# KiCad board DFTBoard.kicad_pcb (continued)
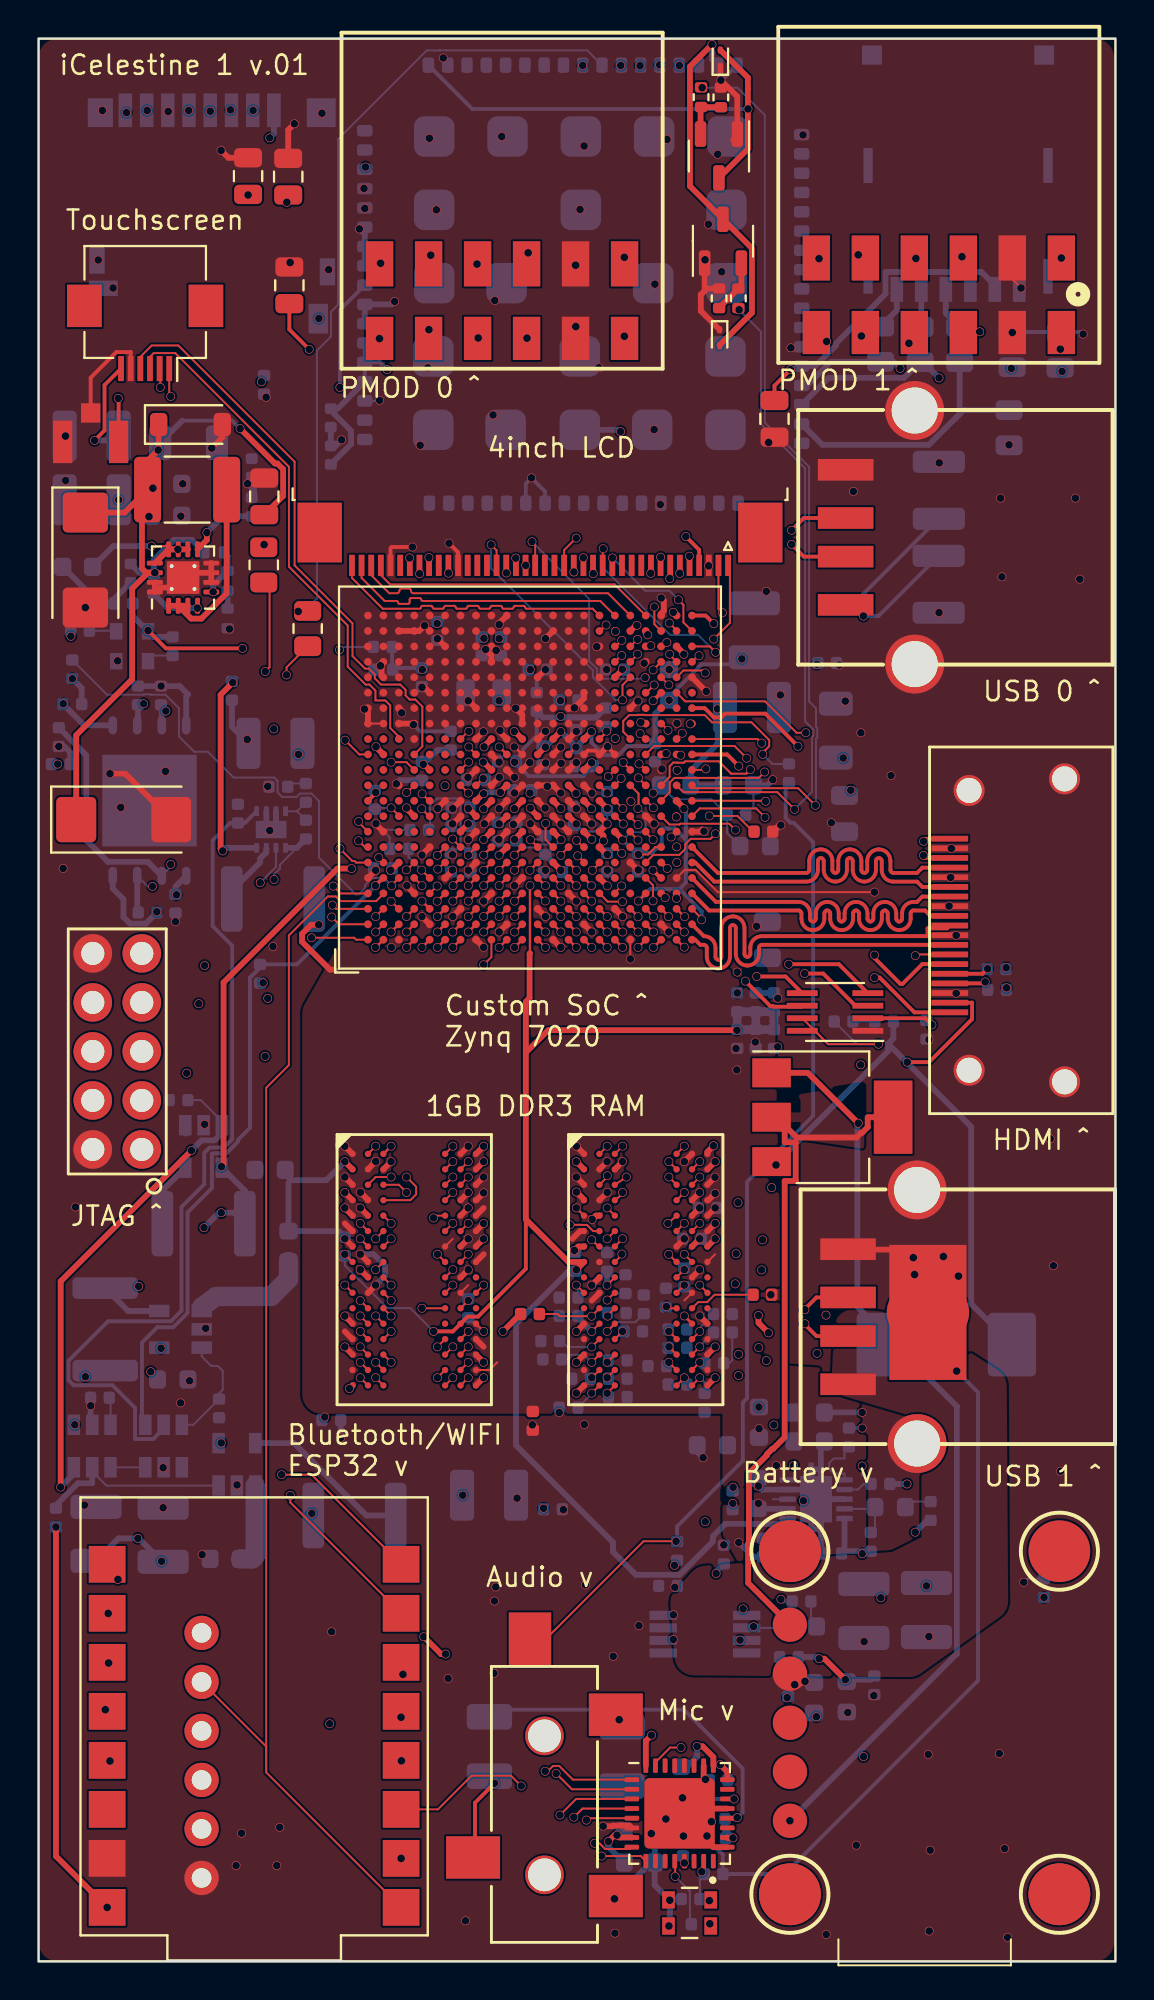
[diagram p0: board, top side]
## Nets (continued)
SD_D1: J8.8 U20.E10
SD_D2: J8.1 U20.A8
SD_D3: J8.2 U20.F11
SDA: J3.40 U20.T22
T_INT: J4.2 U20.D11
T_RST: J4.1 U20.D12
T_SCL: J4.3 U20.C14
T_SDA: J4.4 U20.D13
TLV_RST#: U9.31 U20.W13
UART33_RX: U14.6 U17.4 U20.G7
UART33_TX: U14.5 U17.5 U20.B4
USBD_D_N: U12.2
USBD_D_P: U12.3
USBH_CPEN: U11.1 U20.AA17
USBH_D_N: J6.2 U20.AA8
USBH_D_N1: J2.2 U20.AB22
USBH_D_P: J6.3 U20.AA9
USBH_D_P1: J2.3 U20.AA22
USBH_FAULT: D3.1 U11.2 U20.AB16
USBH_VBUS: C73.2 C74.2 J6.1 U11.6 U11.8
VMODE0: R96.1 U20.D5
VMODE1: R97.1 U20.E5
VS: J3.33 U20.U21
ZYNQ_POR: R5.2 U2.4 U20.B5
Net-(#FLG0102-pwr): R34.1 U21.7 U21.8
Net-(AE1-A): AE1.1 U13.60
Net-(D7-K): D7.1 R101.2 U8.9
Net-(D8-A2): D8.2 Q2.3 U13.1
Net-(D9-A2): D9.2 Q4.3 U13.16
Net-(L5-Pad1): L5.1 U6.1 U6.2 U6.3
Net-(Q1-D): Q1.2 U12.5
Net-(Q1-G): Q1.1 S8KC-13.2 U12.1
Net-(Q2-B): Q2.2 R12.2 R16.1
Net-(Q4-B): Q4.2 R14.2 R17.1
Net-(R7-Pad2): R7.2 R8.1
Net-(R27-Pad2): R27.2 R29.1
Net-(R34-Pad2): R34.2 R81.1
Net-(U1-EN): C1.1 U1.3
Net-(U1-FLAG3): U1.4 U2.3
Net-(U5-FB): R6.1 R7.1 U5.4
Net-(U5-SW): L1.1 U5.7
Net-(U6-FB): R24.1 R27.1 U6.5
Net-(U6-PG): R23.1 U6.4
Net-(U6-SS/TR): C37.2 U6.9
Net-(U8-REFOUT): C131.1 U8.6
Net-(U9-MIC1RM/LINE1RM): C45.2 U9.13
Net-(U13-RXD): R22.2 U13.10
Net-(U13-TXD): R18.2 U13.9
Net-(U18-OE): R98.1 U18.1
Net-(U20F-PS_CLK_500): R100.1 U20.F7
Net-(U20G-PS_SRST_B_501): R33.1 U20.C9
Net-(U20H-PS_DDR_VRN_502): R75.1 U20.M7
Net-(U20H-PS_DDR_VRP_502): R76.1 U20.N7

Pads without a net: CON1 6 7 8; J1 7 8 9 10 11 12 C6; J3 31 35 MP; J4 MP; J5 ~; U9 10 11 14 16 19 23; U11 4 5; U12 P$1; U13 3 4 5 6 7 8 15 19 20 21 22 23 24 25 26 27 28 35 36 37 38 40 41 42 43 44 47 48 49 50 51 53 67 68 GND; U14 3.3; U15 J1 J9 L1 L9 M7; U16 J1 J9 L1 L9 M7; U17 2 6; U20 A9 A11 A12 A14 AA16 AB17 B7 B9 B12 B14 C4 C7 C8 C10 C12 C13 D7 D8 D10 E8 E11 E13 E14 F8 F9 F12 F13 F14 G6 G13 T12 U5 U6 U15 U16 U17 V4 V5 V7 V15 V17 W7 W16 Y8 Y14 Y16

## Via types
v1: diameter 0.45, hole 0.4, TOP_GND to BOTTOM, 914 vias

## Routing (per net, layer and track width the routed paths; a pad name or vN(x,y) marks a point on that pad's centre or on a via; arc(x,y) is an arc through that point)
1v0en: length 25.8
  TOP_GND w0.3: v1(1.14,24.58) 1.14,35.24 v1(7.93,42.03)
  BOTTOM w0.102: 9.51,43.54 8.41,44.64 R1.2
  BOTTOM w0.3: 1.83,25.27 v1(1.14,24.58) ; U3.3 9.51,42.93 9.13,42.55 8.45,42.55 v1(7.93,42.03)
1v8en: length 10.2
  BOTTOM w0.102: U7.3 3.52,24.66 2.78,25.4
  BOTTOM w0.3: R2.2 0.9,23.64 2.04,24.78 2.78,24.78 U1.5
1v35en: length 49.8
  BOTTOM w0.102: 8.73,41.97 8.93,42.18 9.51,42.18 ; 9.03,53.72 9.03,58.1
  BOTTOM w0.2: 6.48,27.61 5.95,27.08 5,27.08 5,28.69 3.84,29.86 1.82,29.86 1.55,30.12 1.55,31.13 3.6,33.18 6.86,33.18 7.41,33.72 7.41,39.1 8.59,40.28 8.59,41.91 8.86,42.18 9.61,42.18 10.04,42.61 10.04,52.64 9.03,53.65 9.03,58.1 9.93,59 R4.2 10.7,59 U5.1
1v35PG: length 34.7
  TOP_GND w0.102: v1(35.09,58.44) 34.83,58.18 33.8,58.18 33.52,57.9 33.52,57.65 33.22,57.35 31.87,57.35 U20.W6
  SIGNAL1 w0.102: v1(11.49,55.91) 11.72,55.68 12.37,55.68 12.82,56.12 15.68,56.12 16.44,55.36 17.62,55.36 17.85,55.59 17.85,55.86 18.14,56.16 18.41,56.16 18.67,56.42 18.67,56.73 19.68,57.74 24.81,57.74 25,57.56 25.83,57.56 26.68,56.7 26.68,56.39 26.92,56.15 29.65,56.15 30.46,56.96 31.24,56.96 32.4,58.12 32.4,58.44 32.89,58.93 32.9,58.92 33.22,58.92 33.26,58.96 34.69,58.96 35.09,58.56 v1(35.09,58.44) 35.09,58.51 35.05,58.56
  BOTTOM w0.102: U5.6 12.31,56.72 v1(11.49,55.91)
3v3en: length 5.9
  BOTTOM w0.102: 8.46,31.81 8.46,31.36 8.96,30.86 9.29,30.86 9.55,30.61 9.55,29.63 9.36,29.44 R3.2 8.02,27.81 U2.6
+1V0: length 95.1
  TOP_GND w0.13: U20.P13 v1(27.86,62.93) ; U20.H11 23.02,61.3 v1(23.05,61.3) ; v1(23.88,62.94) 23.88,62.94 U20.K13
  TOP_GND w0.3: U20.M13 26.26,62.93 v1(26.28,62.93) ; U20.N14 27.06,63.74 v1(27.08,63.74) ; v1(16.22,56.64) 15.49,56.64 9.59,50.74 9.59,41.3 v1(9.48,41.19) ; U20.J12 23.07,62.15 v1(23.05,62.15) ; v1(24.68,58.14) 24.68,58.15 U20.L8 ; U20.R14 28.66,63.73 v1(28.66,63.73) ; v1(23.08,59.73) 23.08,59.75 U20.J10 ; v1(23.08,58.15) 23.08,58.15 U20.J8 ; v1(22.28,58.95) 22.28,58.95 U20.G8 ; v1(22.28,59.75) U20.H9 ; v1(23.09,62.94) 23.09,62.97 U20.J14 ; U20.R8 v1(28.67,58.15) ; v1(24.66,63.74) 24.69,63.74 U20.L14 ; U20.N8 v1(27.09,58.14)
  SIGNAL1 w0.102: v1(23.05,61.3) 22.68,60.93 22.68,60.13 v1(23.08,59.73) 22.7,59.35 ; v1(22.28,58.95) 22.28,58.95 v1(23.08,58.15) 23.46,58.53 24.28,58.53 v1(24.68,58.14) ; v1(22.28,58.95) 22.3,58.95 22.7,59.35 ; v1(22.28,58.95) 21.87,58.55 21.64,58.55 21.63,58.56 21.3,58.56 21.3,58.55 20.05,58.55 19.24,57.74 18.92,57.74 17.57,57.74 16.46,56.64 v1(16.22,56.64) ; 22.7,59.35 22.3,59.75 v1(22.28,59.75)
  SIGNAL1 w0.3: v1(24.66,63.74) 25.47,63.74 v1(26.28,62.93)
  GND1 w0.102: v1(27.09,58.14) 27.11,58.14 27.54,57.71 28.23,57.71 v1(28.67,58.15)
  SIGNAL2 w0.3: v1(5.15,21.93) 5.15,29.2 8.17,32.22 8.17,37.62 v1(8.58,38.03) ; v1(40.35,67.22) 40.07,67.5 v1(36.46,67.5)
  BOTTOM w0.102: v1(27.09,58.14) 26.84,57.89 26.05,57.89 25.9,57.73 25.08,57.73 v1(24.68,58.14)
  BOTTOM w0.2: 36.74,67.22 34.37,67.22 32.68,65.53 ; C24.1 31.81,62.99 30.53,62.99 30.06,62.51 29.32,62.51 28.66,63.17 v1(28.66,63.73)
  BOTTOM w0.3: U3.4 10.69,39.95 L3.2 10.13,38.8 v1(9.47,38.8) 9.35,38.8 v1(8.58,38.03) ; C28.1 4.15,21.93 v1(5.15,21.93) 5.19,21.93 v1(6.38,20.74) ; v1(26.28,62.93) 26.28,62.94 v1(27.08,63.74) 27.86,62.95 v1(27.86,62.93) 27.86,62.93 v1(28.66,63.73) ; 31.97,63.11 31.97,64.66 C11.1
  vias: v1(32.69,65.36)
+1V8: length 72.2
  TOP_GND w0.3: v1(27.88,58.95) U20.P9 ; U20.R12 28.65,62.12 v1(28.68,62.12) ; v1(25.49,59.77) 25.49,59.74 U20.M9 ; U20.T9 v1(29.47,58.95) U20.T8 29.28,58.35 v1(29.28,58.07) ; U20.T7 29.46,57.37 v1(29.49,57.37) ; U20.K11 23.94,60.61 v1(23.94,60.58) ; v1(31.78,11.73) 31.48,11.43 U9.32 ; U20.K9 23.88,58.95 v1(23.88,58.95) ; U20.T10 29.48,59.74 v1(29.49,59.74) ; v1(23.07,60.51) 23.04,60.51 U20.H10
  SIGNAL1 w0.102: v1(28.68,62.12) 28.68,63.09 28.27,63.5 28.27,63.91 27.66,64.52 v1(27.07,64.52)
  SIGNAL1 w0.3: v1(28.68,62.12) 28.16,61.6 26.36,61.6 25.48,60.72 v1(25.48,60.55) ; v1(42.11,60.7) 41.71,61.1 v1(41.71,62.37) ; v1(31.78,11.73) 33.72,13.67 v1(38.81,13.67)
  GND1 w0.102: v1(28.68,62.12) 28.68,61.12 29.08,60.71 29.08,60.15 v1(29.49,59.74) ; v1(29.47,58.95) 29.49,58.96 v1(29.49,59.74) ; v1(27.88,58.95) 28.27,59.34 29.09,59.34 v1(29.49,59.74)
  GND1 w0.2: v1(27.07,64.52) 27.07,64.52 30.9,64.52 31.04,64.65 34.94,64.65 v1(35.2,64.91)
  SIGNAL2 w0.102: v1(23.88,58.95) 23.48,59.35 23.48,60.13 v1(23.94,60.58)
  SIGNAL2 w0.3: v1(35.2,64.91) 39.61,64.91 41.71,62.82 v1(41.71,62.37)
  BOTTOM w0.102: v1(29.47,58.95) R9.2 29.47,59.19 28.84,58.56 28.27,58.56 v1(27.88,58.95)
  BOTTOM w0.2: C19.1 25.83,63.53 25.12,62.82 25.12,62.56 C20.1 ; C5.1 28.24,61.43 25.4,61.43 v1(24.68,62.15)
  BOTTOM w0.3: 28.91,64.47 26.14,64.47 C19.1 ; 28.91,64.47 27.15,64.47 27.1,64.52 v1(27.07,64.52) ; 28.91,64.47 R10.2 ; C26.1 FB1.2 33.81,61.72 35.2,63.1 v1(35.2,64.91) ; v1(23.07,60.51) 23.14,60.58 v1(23.94,60.58)
  vias: v1(9.47,26.87) v1(14.17,23.22) v1(32.97,20.53) v1(40.32,12.68)
+1V35: length 50.5
  TOP_GND w0.102: U16.K8 22.28,35.05 ; U15.K8 33.47,34.25 ; U16.G7 21.48,37.45 ; U16.N9 23.07,31.85 ; U16.R9 23.38,30.65 23.78,31.05 ; U20.V1 v1(30.68,51.95) ; 34.68,36.25 35.08,36.65
  TOP_GND w0.3: 34.68,39.45 34.72,39.45 v1(35.07,39.8) ; U15.F1 28.08,37.85 27.68,37.45 ; U20.F5 21.46,56.53 v1(21.46,56.56) ; U20.N6 v1(27.08,56.55) ; 15.38,51.4 15.1,51.4 13.66,52.84 13.66,53.25 14.13,53.73 v1(14.53,53.73) ; U16.D9 22.69,39.45 v1(23.08,39.83) ; U15.A1 v1(27.88,42.25) ; v1(15.88,40.65) U16.C1 ; v1(16.68,39.86) 17.08,39.47 U16.D2 ; U16.H2 v1(16.68,36.65) ; U20.M3 v1(26.28,54.15) ; U20.K7 23.88,57.35 v1(23.88,57.33) ; U16.F1 15.88,38.25 ; 29.08,34.64 28.68,34.24 ; 33.08,37.05 v1(33.47,37.45) ; U20.R2 v1(28.68,53.35) ; U20.J4 v1(23.08,54.95) ; 29.08,36.25 29.08,36.23 ; U20.E2 v1(19.88,54.15) ; U16.N1 15.88,32.65 ; U15.A8 v1(33.47,41.45) ; U15.C1 v1(27.88,40.65) ; 34.68,38.65 v1(35.08,39.05) ; 22.68,38.65 23.08,39.05 ; v1(17.48,35.05) U16.K2 ; U16.H9 23.08,36.65 ; U20.H1 v1(23.08,52.55) ; 29.08,41.05 v1(29.47,41.45) ; 22.68,32.25 23.07,31.85 ; 34.68,40.25 v1(35.07,40.64) ; U16.C9 v1(23.08,40.65) ; U16.A1 v1(15.88,42.25) ; U16.A8 v1(22.28,42.25) ; 17.08,41.05 v1(17.48,41.46) ; 29.08,39.45 v1(29.48,39.86)
  SIGNAL1 w0.102: v1(13.48,62.55) 12.38,61.45 12.38,56.8 12.21,56.63 v1(12.21,56.07)
  SIGNAL1 w0.3: v1(36.3,21.72) 37.32,22.73 v1(37.32,23.74) ; v1(38.24,25.7) 38.24,26.72 v1(37.35,27.61)
  BOTTOM w0.102: v1(12.21,56.07) 12.21,56.34 12.51,56.64 12.51,56.83 R6.2
  BOTTOM w0.3: 26.28,57.35 v1(27.08,56.55) ; v1(37.32,23.74) 37.6,23.45 U8.2 ; 13.83,58.15 13.38,57.71 12.83,57.71 ; v1(36.3,21.72) 37.06,20.96 C103.1 ; v1(16.68,36.65) 17.37,36.65 17.96,36.05 17.96,35.54 v1(17.48,35.05)
  vias: v1(14.84,28.21) v1(36.16,47.31) v1(36.2,46.2) v1(37.16,47.65) v1(38.32,47.39)
+3V3: length 126.6
  TOP_GND w0.102: v1(17.48,54.15) 17.48,54.15 U20.B3 ; 31.06,59.83 31.1,59.87 31.1,60.52 U20.V11 ; v1(34.37,53.99) 34.37,54.05 U20.AB3 ; v1(31.09,57.37) 31.59,57.37 31.97,57.75 U20.Y7 ; 31.47,55.34 v1(31.09,54.96) ; PMOD2.12 53.02,83.6 v1(52.97,83.55) ; U20.W14 31.19,63.63 v1(31.18,63.63)
  TOP_GND w0.2: v1(46.31,48.54) 45.97,48.88 U21.2 ; J4.6 3.42,81.7 3.42,79.35 v1(2.9,78.83) ; U20.A10 17.47,60.55 v1(17.47,60.59) ; U20.AB13 35.7,62.55 v1(36.3,61.95) ; v1(5.68,68.98) 6.6,68.05 v1(10.58,68.05) ; U20.Y17 v1(31.86,65.33) ; v1(33.55,73.85) 34.25,73.15 34.25,72.35
  TOP_GND w0.3: U20.AB13 33.95,62.55 ; U20.U8 30.28,58.15 v1(30.28,58.12) ; v1(18.25,56.55) 18.28,56.55 U20.C6 ; U20.U18 30.26,66.94 v1(30.26,66.97) ; v1(19.94,62.04) 19.98,62.04 U20.E12 ; v1(29.48,55.74) 29.48,55.75 U20.T5 ; U20.B13 17.49,62.93 v1(17.49,62.95) ; U9.24 35.71,9.83 v1(35.34,10.2) ; v1(40.47,15.68) 40.74,15.68 v1(41.83,14.6) ; U20.D9 19.07,59.75 v1(19.07,59.78) ; U20.AA10 33.46,59.77 v1(33.46,59.74) ; 30.75,6.42 30.75,6.43 30.1,6.43 v1(29.99,6.55) 29.87,6.55 v1(29.54,6.22) ; U20.V21 30.97,69.25 v1(31.02,69.25) ; v1(33.45,67.74) 33.45,67.77 U20.AA20 ; v1(34.14,11.15) 34.43,11.15 34.98,10.59 U9.25 ; U9.18 35.72,6.4 v1(36,6.4)
  SIGNAL1 w0.102: v1(18.25,56.55) 17.86,56.16 16.7,56.16 16.68,56.17 16.36,56.17 16.35,56.16 15.93,56.16 15.7,56.39 15.7,56.67 16.04,57.01 16.09,57.01 17.32,58.24 17.32,58.51
  SIGNAL1 w0.2: v1(17.47,60.59) 18.93,62.04 v1(19.94,62.04) 19.97,62.04 20.01,62.08 ; v1(17.47,60.59) 17.05,60.16 17.05,58.78 17.32,58.51 18.43,58.51 18.46,58.51 18.72,58.77 18.72,58.79 19.07,59.15 v1(19.07,59.78) ; v1(17.47,60.59) 17.49,60.6 v1(17.49,62.95) 17.49,63.08 15.65,64.93 12.62,64.93 12.19,64.49 v1(12.19,63.88)
  SIGNAL1 w0.3: v1(8.61,51.61) 9.5,50.71 v1(11.64,50.71)
  SIGNAL2 w0.102: v1(31.02,69.25) 30.66,68.88 30.66,67.36 v1(30.26,66.97)
  SIGNAL2 w0.2: v1(10.58,68.05) 10.58,66.36 12.19,64.74 v1(12.19,63.88)
  SIGNAL2 w0.3: v1(2.43,30.3) 2.53,30.2 5.45,30.2 v1(5.81,30.56) 6.35,31.1 v1(6.35,31.78) ; v1(36.26,39.33) 37.04,40.11 v1(38,40.11) ; v1(37.73,31.14) 36.96,30.37 v1(36.29,30.37)
  BOTTOM w0.102: v1(30.28,58.12) 30.67,58.52 31.23,58.52 31.47,58.75 31.47,59.42 31.06,59.83 ; C46.1 18.36,68.09
  BOTTOM w0.2: R35.2 38.59,18.66 v1(38.48,18.77) ; 31,57.4 v1(30.28,58.12) ; C114.1 18.45,67.04 C46.1 18.32,66.99 R99.1 ; 33.56,57.38 33.56,59.63 v1(33.46,59.74) ; 33.56,57.38 33.56,55.92 33.22,55.58 ; 33.56,57.38 33.56,58.13 32.97,58.71 32.3,58.71 32.3,57.95 31.79,57.44 C117.1 ; 33.22,55.58 34.37,54.42 v1(34.37,53.99) ; 33.22,55.58 31.71,55.58 v1(31.09,54.96) ; 46.08,48.77 v1(46.31,48.54)
  BOTTOM w0.3: v1(35.12,20.11) 35.12,20.2 C70.1 ; v1(40.47,15.68) 40.38,15.78 C68.1 ; v1(29.54,6.22) 29.54,5.95 C60.1 ; 30.1,6.5 30.03,6.5 v1(29.99,6.55) ; R98.2 5.97,68.64 U18.4 4.89,69.72 C120.1 ; v1(34.14,11.15) 34.14,10.6 33.62,10.09 ; R106.2 2.23,65.99 v1(1.75,66.47) ; C62.1 35.97,6.38 v1(36,6.4) 35.59,6.81 C52.2 ; R25.1 v1(45.02,24.74) ; C39.2 43.13,14.6 v1(41.83,14.6) ; v1(35.34,10.2) 35.74,9.8 C56.2 ; R95.2 5.56,53.79 4.74,53.79 4.4,54.12 4.4,55.05 3.84,55.61 U19.8 ; C116.1 20.68,62.78 v1(19.94,62.04) ; R102.2 46.06,22.86 v1(45.44,22.24) ; v1(2.9,78.83) 3.93,78.83 ; U8.10 41.78,21.17 ; R101.1 41.75,21.26
  vias: v1(4.15,75.75) v1(6.13,54.4) v1(8.9,95.89) v1(11.55,81.86) v1(19.89,66.95) v1(20.66,69.34) v1(21.99,24.16) v1(23.09,68.57) v1(23.88,68.55) v1(23.87,65.33) v1(25.49,66.95) v1(26.18,23.49) v1(27.06,65.34) v1(30.37,88.32) v1(30.37,84.23) v1(31.07,59.76) v1(35.99,23.74) v1(42.7,21.12) v1(50.16,51.5) v1(50.18,50.46) v1(52.12,18.87) v1(53.02,88.28)
+3V8: length 77
  TOP_GND w0.2: C64.1 13,84.58 v1(14.03,83.55)
  TOP_GND w0.3: D2.1 6.23,78.35 v1(6.2,78.33) 5.65,77.78 ; v1(10.45,79.44) 12.26,77.63 12.38,77.63 12.68,77.33 12.68,75.95 C88.1 ; C44.1 4.46,75.09 L5.2 ; 5.36,75.98 5.36,72.19 5.58,71.97 v1(6.03,71.97) 5.67,71.97 4.85,71.15 4.85,66.45 1.95,63.55 C40.1
  GND1 w0.2: v1(10.86,91.55) 11.24,91.17 v1(12.87,91.17) 14.03,90.01 v1(14.03,83.55) 15.08,82.5 v1(18.07,82.5) 15.01,79.44 v1(10.45,79.44)
  BOTTOM w0.2: U13.55 U13.56 ; U13.56 17.69,82.88 v1(18.07,82.5) ; U13.56 U13.57 ; v1(10.45,79.44) 10.03,79.85 7.45,79.85
  BOTTOM w0.3: C92.1 16.2,78.63 16.2,79.06 16.19,79.07 16.19,79.33 15.15,80.38 ; 7.45,79.85 C132.1 ; R23.2 5.98,72.63 7.02,73.67 7.94,73.67 R24.2 ; v1(6.03,71.97) 5.23,71.97 C124.1 ; C107.1 15.51,80.47 U13.55
  vias: v1(5.73,74.88) v1(5.93,76.35)
+5V: length 111.8
  TOP_GND w0.102: 6.93,73.18 6.76,73.35 v1(5.85,73.35)
  TOP_GND w0.2: v1(45.03,46.61) 46.16,46.61 48.39,48.83 48.39,49.68 48.39,49.69 J9.18
  TOP_GND w0.3: v1(0.9,22.51) 0.9,5.46 v1(3.56,2.8) ; v1(9.55,57.55) 9.44,57.66 9.44,65.65 v1(10.07,66.28) ; v1(7.23,73.18) U6.10 ; v1(7.23,73.18) U6.12 U6.13 ; v1(7.23,73.18) U6.11 ; v1(21.11,15.93) 20.86,15.93 v1(19.97,16.83) 20,16.79
  SIGNAL1 w0.3: v1(11.74,46.9) 10.87,46.04 v1(7.68,46.04) ; v1(11.88,49.91) 11.22,49.25 8.69,49.25 v1(8.31,49.64)
  SIGNAL2 w0.3: v1(1.88,27.81) 1.88,23.49 v1(0.9,22.51)
  BOTTOM w0.2: v1(45.03,46.61) 44.99,46.61 44.66,46.94 ; 46.65,74.77 42.76,70.88 v1(42.76,69.72) 43.54,69.72 C69.2
  BOTTOM w0.3: 44.04,47.56 44.04,47.18 38.23,41.37 v1(38.23,41.28) ; 44.04,47.56 48.35,43.25 48.35,34.07 S8KC-13.1 ; 44.04,47.56 44.32,47.84 R81.2 ; C21.1 3.88,73.35 v1(5.85,73.35) ; v1(9.55,57.55) 9.71,57.71 U5.8 ; 7.63,42.9 7.63,43.41
  BOTTOM w1: 8.46,33.91 9.21,34.46 12.06,34.46 12.96,35.36 C3.1 ; C13.1 11.08,20.86 11.23,21.01 U7.1
/Power/1V0TOLX: length 3.4
  BOTTOM w0.3: U3.5 6.42,39.95 L3.1
/Power/1V8TOLX: length 8.8
  BOTTOM w0.3: L4.1 16.99,23.11 13.24,26.86 U7.5
/Power/3V3TOLX: length 3.3
  BOTTOM w0.3: U4.5 4.64,33.71 L2.1
  vias: v1(5.19,34.99)
/Power/VCCAUX: length 17.4
  TOP_GND w0.3: v1(24.67,59.74) 24.67,59.74 U20.L10 ; v1(28.66,59.74) 28.66,59.76 U20.R10 ; v1(27.08,59.75) U20.N10 ; U20.P11 27.86,60.56 v1(27.86,60.53)
  SIGNAL1 w0.102: v1(28.66,59.74) 29.06,60.14 30.15,60.14 30.52,60.5 31.81,60.5 v1(31.86,60.55)
  GND1 w0.102: v1(24.67,59.74) 25.03,59.38 26.7,59.38 v1(27.08,59.75) 27.46,60.13 27.73,60.13 ; v1(28.66,59.74) 28.27,60.13 27.73,60.13 ; 27.73,60.13 27.86,60.26 v1(27.86,60.53)
  BOTTOM w0.102: C33.1 35.69,58.47 C34.1 34.89,60.22 32.96,60.22 FB1.1
  BOTTOM w0.3: v1(31.86,60.55) 31.87,60.55 32.24,60.91
GND: length 201
  TOP_GND w0.102: U16.M9 v1(23.08,32.65) ; U15.E1 v1(27.88,39.05) ; U20.A15 U20.B15 ; U20.AA5 33.48,56.56 34.07,56.56 35.21,55.42 v1(43.33,55.42) ; 50.48,87.18 v1(50.93,86.73) ; U16.P9 23.07,31.06
  TOP_GND w0.13: U20.L13 24.68,62.94 v1(24.66,62.94)
  TOP_GND w0.2: v1(29.5,62.96) 29.5,62.93 U20.U13 ; AE1.3 2.7,82.08 4.03,83.4 4.77,83.4 4.78,83.4 J4.5 ; U20.R13 28.47,62.75 28.88,62.75 U20.T13 ; v1(21.28,73.5) 21.75,73.03 21.75,72.35 ; v1(19.38,73.3) 18.31,73.3 18.25,73.23 18.25,72.35
  TOP_GND w0.3: v1(17.49,58.96) 17.49,58.93 U20.B8 ; v1(25.47,62.13) 25.46,62.13 U20.L12 ; U20.L5 v1(24.68,55.75) ; v1(23.88,59.73) 23.88,59.75 U20.K10 ; 34.68,41.85 34.68,41.96 v1(34.99,42.27) ; v1(13.26,95.24) 12.94,94.92 C89.2 ; 27.47,58.55 v1(27.08,58.94) 27.08,58.94 U20.N9 ; U16.E1 v1(15.88,39.05) ; v1(16.89,64.9) 17.08,64.71 U20.A15 ; U20.F10 20.69,59.77 v1(20.69,59.75) ; U20.Y2 v1(32.68,53.35) ; U20.W19 31.4,67.28 v1(31.39,67.28) ; 34.68,41.05 v1(35.08,41.45) ; v1(27.88,39.88) 28.28,39.48 U15.D1 ; U20.C11 18.6,61.03 v1(18.54,61.03) ; U15.G8 v1(34.28,37.45) ; U15.J8 v1(34.28,35.85) ; U20.J9 23.1,58.98 v1(23.1,58.95) ; v1(34.5,58.57) 34.41,58.66 34.4,58.66 34.3,58.55 U20.AB8 ; v1(19.88,57.33) 19.88,57.35 U20.E7 ; v1(19.09,55.75) 19.09,55.73 U20.D4 ; 30.75,6.92 30.64,7.04 29.78,7.04 29.76,7.01 v1(29.27,7.01) ; Q2.1 36.22,96.65 v1(35.37,97.5) ; v1(28.69,60.55) 28.68,60.55 U20.R11 ; U16.G8 v1(22.28,37.45) ; U20.C16 18.83,64.8 v1(18.83,64.7) ; v1(29.5,62.96) 29.48,62.96 U20.T13 ; U16.A9 v1(23.08,42.25) ; U20.K12 24.66,61.37 v1(24.68,61.37) ; U20.N21 v1(26.28,68.55) ; Q4.1 34.53,86.58 34.33,86.38 ; U20.N12 27.02,62.09 v1(27.09,62.09) ; U20.M10 26.26,59.77 v1(26.26,59.77) ; U20.H12 22.29,61.36 v1(22.26,61.36) ; U20.H6 22.28,56.55 v1(22.28,56.55) ; U16.G1 v1(15.88,37.45) ; U20.N13 27.06,62.93 v1(27.07,62.93) ; U16.D1 v1(15.88,39.85) ; U20.H14 23.05,63.73 v1(23.05,63.73) ; U16.P1 v1(15.88,31.85) ; v1(27.88,59.74) 27.88,59.75 U20.P10 ; v1(21.46,58.95) 21.48,58.95 U20.G9 ; 22.68,37.05 v1(23.07,37.45) ; U16.B1 v1(15.88,41.45) ; 34.33,86.38 34.33,85.54 D9.1 ; 34.33,86.38 34.65,86.7 R17.2 ; v1(27.88,62.13) 27.86,62.13 U20.P12 ; v1(32.28,70.66) 32.41,70.52 32.41,69.99 32.28,69.85 U20.Y22 ; v1(23.18,67.99) 23.48,67.69 U20.J19 ; U20.R9 v1(28.68,58.95) ; 31.51,59.35 v1(31.91,58.95) ; U16.E8 v1(22.28,39.05) ; v1(8.98,78.43) 9.53,78.97 D2.2 ; U20.P14 v1(27.88,63.75) ; U20.U3 30.27,54.15 v1(30.27,54.14) ; U16.J8 v1(22.28,35.85) ; v1(23.92,63.79) 23.92,63.71 U20.K14 ; v1(27.78,36.85) 27.97,37.05 U15.G1 ; U20.T20 28.95,68.15 v1(28.93,68.14) ; U6.7 7.74,71.97 ; U20.L9 24.65,58.93 v1(24.61,58.93) ; U20.M18 v1(26.28,66.95) ; U20.H8 22.28,58.15 v1(22.28,58.14) ; U20.R17 28.28,65.46 v1(27.78,64.96) ; v1(34.61,65.82) 34.61,65.82 U20.AB18 ; U16.E2 v1(16.68,39.05) ; U20.G10 21.47,59.74 v1(21.47,59.74) ; U20.D15 U20.C15 ; v1(26.38,60.89) 26.32,60.95 U20.M11 ; U20.L11 v1(24.68,60.55) ; 36.19,94.38 36,94.38 ; U16.B9 v1(23.08,41.45) ; C40.2 4.5,61.55 v1(3.7,61.55) ; v1(24.73,64.95) 25.08,64.61 U20.L15 ; U20.K22 23.87,69.35 v1(23.87,69.28) ; 42.59,36.89 45.38,36.89 ; 29.08,35.44 v1(28.68,35.04) ; U20.M8 25.49,58.94 v1(25.49,58.96) ; U20.G3 v1(21.48,54.15) ; U15.T1 v1(27.88,29.45) ; U20.J11 23.89,61.36 v1(23.89,61.36) ; v1(19.88,66.03) 19.99,66.03 U20.E17 ; U20.V6 31.06,56.57 v1(31.09,56.57) ; U20.A5 v1(17.48,56.55) ; v1(20.01,69.23) 19.73,68.95 U20.C21 ; v1(22.27,65.33) 22.29,65.33 U20.H16 ; U16.T9 v1(23.08,30.25) ; v1(38.48,58.89) 38.4,58.89 R76.2 ; 29.08,38.65 28.89,38.65 v1(28.7,38.46) ; U16.T1 v1(16.12,29.69) ; U20.N1 v1(27.08,52.55) ; v1(23.88,62.15) 23.87,62.15 U20.J13 ; U20.K8 23.87,58.14 v1(23.86,58.14) ; D8.1 35.34,97.14 ; 6.03,71.2 U6.16 ; 6.03,71.2 U6.15 ; 6.03,71.2 6.97,71.2 ; U16.D8 v1(22.28,39.85) ; U15.B1 v1(27.88,41.45) ; 34.68,33.05 v1(34.28,33.45) ; U20.K2 v1(23.88,53.35) ; 34.68,29.85 v1(35.08,30.25) ; U15.D8 v1(34.28,39.85) ; U16.J2 v1(16.68,35.85) ; C63.2 9.84,93.48 v1(9.46,93.86) ; v1(26.29,62.11) 26.23,62.11 U20.M12 ; U16.B3 v1(18.28,41.45) ; U20.V16 31.04,65.32 v1(31.07,65.32) ; v1(17.72,67.15) 17.78,67.09 17.78,66.65 U20.B18 ; U16.M1 v1(15.88,33.45) ; U15.E8 v1(34.28,39.05) ; 34.68,31.45 v1(35.08,31.85) ; U20.N11 v1(27.08,60.55) ; U20.F20 v1(20.68,68.55) ; U20.M14 v1(26.28,63.75) ; U6.6 U6.8 ; 34.68,37.85 v1(35.08,38.25) ; 34.68,37.05 v1(35.08,37.45) ; U15.P1 v1(27.88,31.05) ; U20.P4 v1(27.88,54.95) ; 22.68,31.44 v1(23.07,31.05) ; 28.28,33.04 v1(27.88,32.64) ; U15.B3 v1(30.28,41.45) ; 22.68,37.85 v1(23.08,38.24)
  SIGNAL1 w0.102: v1(19.09,55.75) 19.46,56.12 19.46,56.91 v1(19.88,57.33)
  BOTTOM w0.102: C127.1 39.88,21.93 C103.2 ; v1(54.15,84.34) 54.08,84.41 C134.2 52.95,84.42 v1(50.48,84.42) ; v1(2.42,70.16) 2.42,71.1 C21.2 ; C34.2 37.06,59.83 C26.2 ; v1(32.23,75.51) 32.26,75.54 U13.39 ; v1(23.08,32.65) 22.99,32.65 R49.2 ; v1(51.08,19.65) 51.26,19.84 C115.2 ; U13.54 17.65,80.88 v1(17.68,80.91) ; U8.11 40.06,25.04 ; C106.2 17.81,58.65 v1(17.49,58.96) 18.21,58.25 R97.2
  BOTTOM w0.2: C116.2 19.78,63.75 v1(19.44,64.09) ; 21.21,98.41 v1(20.98,98.65) ; v1(39,83.63) 39.05,83.68 U13.29 ; C57.2 25.83,66.42 C19.2 ; v1(35.37,97.5) 35.43,97.5 U13.17 ; C131.2 v1(42.7,27.64) ; U13.46 25.26,76.6 v1(25.55,76.89) 26.26,76.18 U13.45 ; C133.2 54.04,84.45 v1(54.15,84.34)
  BOTTOM w0.3: 40.74,28.45 v1(42.7,28.45) ; U5.2 11.81,58.91 ; v1(18.46,86.03) 18.31,85.88 U13.59 U13.58 ; v1(38.06,61.24) 37.77,60.95 C26.2 ; U8.11 U8.11 ; U8.11 40.56,22.95 ; U8.11 40.56,21.25 ; v1(41.1,59.02) 41.57,58.55 C32.2 ; v1(37.32,24.63) 37.5,24.45 U8.4 39.47,24.45 ; v1(34.45,26.11) 34.14,26.41 C129.2 ; v1(15.71,78.86) 15.4,78.54 C92.2 ; v1(1.05,62.97) 1.34,62.97 1.64,62.67 R96.2 ; v1(18.54,61.03) 18.73,61.22 C59.2 ; v1(38.48,58.89) 37.94,58.35 C33.2 ; C108.2 10.03,63.98 C99.2 ; C53.2 38.41,15.14 C68.2 ; U13.64 v1(16.91,90.85) ; C21.2 3.15,70.38 C120.2 ; v1(3.86,86.73) 3.84,86.71 J8.10 ; 11.18,75.98 11.18,76.23 v1(10.83,76.58) ; C97.2 R48.2 ; U13.61 U13.62 16.91,89.51 v1(16.63,89.79) 16.72,89.88 U13.63 ; U13.65 16.88,91.88 v1(16.87,91.89) ; C1.2 2.7,27.9 ; 40.56,26.77 U8.11 U8.11 ; R74.2 v1(26.99,28.44) ; U8.8 40.29,23.95 ; R94.2 v1(6.35,66.09) 7.32,66.09 7.75,65.66 7.66,65.56 U19.4 ; C107.2 15.15,78.55 ; 12.79,40.8 13.1,40.49 14.91,40.49 v1(15.88,41.45) ; C109.2 15.66,27.14 v1(15.65,27.12) ; 12.96,40.36 C3.2 15.56,37.85 C98.2 ; R92.2 7.1,53.88 v1(7.1,53.88) ; U5.3 12.31,58.91 ; v1(2.42,70.16) 3.47,70.16 C124.2
  vias: v1(1.27,56.65) v1(1.4,79.05) v1(1.4,76.75) v1(1.92,39.1) v1(2.37,23.65) v1(2.71,28.79) v1(3.09,88.18) v1(3.31,95.93) v1(4.1,67.4) v1(4.26,59.81) v1(6.46,25.59) v1(6.46,23.51) v1(6.58,61.68) v1(6.72,95.88) v1(7.38,74.9) v1(7.36,28.95) v1(7.48,76.58) v1(7.83,30.09) v1(8.48,21.08) v1(8.61,43.39) v1(8.66,32.81) v1(9.89,69.05) v1(10.24,4.97) v1(10.29,24.69) v1(10.52,6.65) v1(10.82,63.33) v1(11.8,81.06) v1(11.88,60.9) v1(11.98,58.61) v1(12.15,52.6) v1(12.35,4.97) v1(12.5,6.95) v1(13.04,88.05) v1(14.69,95.79) v1(15.04,87.68) v1(15.19,17.09) v1(18.29,52.55) v1(19.78,78.58) v1(20.18,82.59) v1(20.26,94.49) v1(20.62,90.78) v1(21.23,14.66) v1(21.46,57.35) v1(22.13,2.11) v1(23.56,80.15) v1(23.63,18.68) v1(23.6,14.93) v1(23.65,86.08) v1(23.72,67.94) v1(23.71,19.4) v1(24.01,94.58) v1(24.81,24.01) v1(25.6,27.81) v1(26.28,56.55) v1(27.21,23.41) v1(27.84,87.91) v1(27.85,84.73) v1(28.07,90.8) v1(28.28,94.09) v1(28.29,27.83) v1(28.35,19.51) v1(29.05,82.6) v1(29.45,66.95) v1(29.49,56.54) v1(29.79,15.81) v1(29.88,1.47) v1(31.12,17.4) v1(31.91,79.39) v1(31.95,86.93) v1(32.32,61.8) v1(32.58,94.43) v1(32.69,66.95) v1(32.98,19.39) v1(33.09,64.17) v1(34.55,88.19) v1(34.72,90.03) v1(34.74,72.33) v1(35.21,93.66) v1(35.41,87.57) v1(35.53,21.59) v1(36.21,51.27) v1(36.22,50.19) v1(36.36,16.65) v1(37.22,53.64) v1(37.34,28.73) v1(37.73,71.01) v1(37.85,78.72) v1(37.96,34.55) v1(38.32,49.92) v1(38.45,65.63) v1(39.2,14.34) v1(39.63,94.66) v1(39.65,23.87) v1(39.73,14.51) v1(40.83,1.4) v1(41.52,67.19) v1(41.82,65.32) v1(41.95,12.9) v1(42.24,76.18) v1(42.39,6.03) v1(42.63,63.67) v1(43.3,13.77) v1(43.67,18.84) v1(44.19,61.45) v1(45.35,36.47) v1(45.41,35.6) v1(46.03,19.46) v1(46.12,10.73) v1(46.16,47.77) v1(46.22,5.77) v1(46.17,1.57) v1(46.69,77.66) v1(46.68,69.9) v1(46.91,36.53) v1(47.2,54.69) v1(47.32,57.68) v1(47.28,56.18) v1(47.57,53.18) v1(47.57,50.18) v1(47.69,35.52) v1(49.81,10.78) v1(49.87,75.84) v1(49.94,71.76) v1(50.08,5.84) v1(50.24,1.25) v1(50.31,78.6) v1(52.44,42.63) v1(52.61,36.06) v1(52.98,25.41) v1(53.75,75.84) v1(53.98,71.64)
GNDA: length 53.2
  TOP_GND w0.3: U9.33 33.43,7.47 v1(33.43,6.5) ; U9.33 33.48,7.92 U9.21 ; U9.33 34.98,5.92 U9.17 ; U9.26 34.48,8.92
  BOTTOM w0.2: v1(47.59,30.59) 48.7,29.49 48.7,14.55 38.68,4.53 C42.2 35.47,5.54 C62.2
  BOTTOM w0.3: C60.2 31.94,3.96 v1(32.72,3.17) ; C60.2 31.94,6.74 ; C60.2 31.74,5.12 v1(29.86,3.24) ; v1(32.72,3.17) 32.78,3.23 C35.1 ; v1(32.72,3.17) 32.72,1.88 v1(32.68,1.84) ; C45.1 33.4,6.47 v1(33.43,6.5) ; v1(33.38,8.48) 33.34,8.51 C58.1
  vias: v1(31.77,6.63) v1(32.52,7.38) v1(34.57,9.43) v1(34.65,6.5) v1(34.88,7.24)
(no net): length 2.2
  BOTTOM w0.3: v1(30.17,79.29) 30.08,79.38 U13.GND ; U13.GND 35.61,79.37
1PMOD1: length 36.9
  TOP_GND w0.102: U20.W12 31.16,62.06 v1(31.13,62.06)
  SIGNAL1 w0.102: v1(42.49,88.44) 41.31,87.26 41.31,86.82 41.31,86.77 41.34,86.68 41.4,86.6 41.47,86.55 41.56,86.52 41.61,86.52 42.01,86.52 42.06,86.51 42.15,86.48 42.23,86.43 42.28,86.35 42.31,86.26 42.31,86.22 42.31,86.17 42.28,86.08 42.23,86 42.15,85.95 42.06,85.92 42.01,85.92 41.61,85.92 41.56,85.91 41.47,85.88 41.4,85.83 41.34,85.75 41.31,85.66 41.31,85.62 41.31,85.57 41.34,85.48 41.4,85.4 41.47,85.35 41.56,85.32 41.61,85.32 42.01,85.32 42.06,85.31 42.15,85.28 42.23,85.23 42.28,85.15 42.31,85.06 42.31,85.02 42.31,84.97 42.28,84.88 42.23,84.8 42.15,84.75 42.06,84.72 42.01,84.72 41.61,84.72 41.56,84.71 41.47,84.68 41.4,84.63 41.34,84.55 41.31,84.46 41.31,84.42 41.31,84.37 41.34,84.28 41.4,84.2 41.47,84.15 41.56,84.12 41.61,84.12 42.01,84.12 42.06,84.11 42.15,84.08 42.23,84.03 42.28,83.95 42.31,83.86 42.31,83.82 42.31,83.77 42.28,83.68 42.23,83.6 42.15,83.55 42.06,83.52 42.01,83.52 41.61,83.52 41.56,83.51 41.47,83.48 41.4,83.43 41.34,83.35 41.31,83.26 41.31,83.22 41.31,82.76 40.06,81.51 40.06,70.51 35.16,65.61 35.04,65.61 34.17,64.75 34.17,63.8 33.57,63.19 32.26,63.19 v1(31.13,62.06)